# Altium PCB S7.PcbDoc (part 1 of 6) (continued)
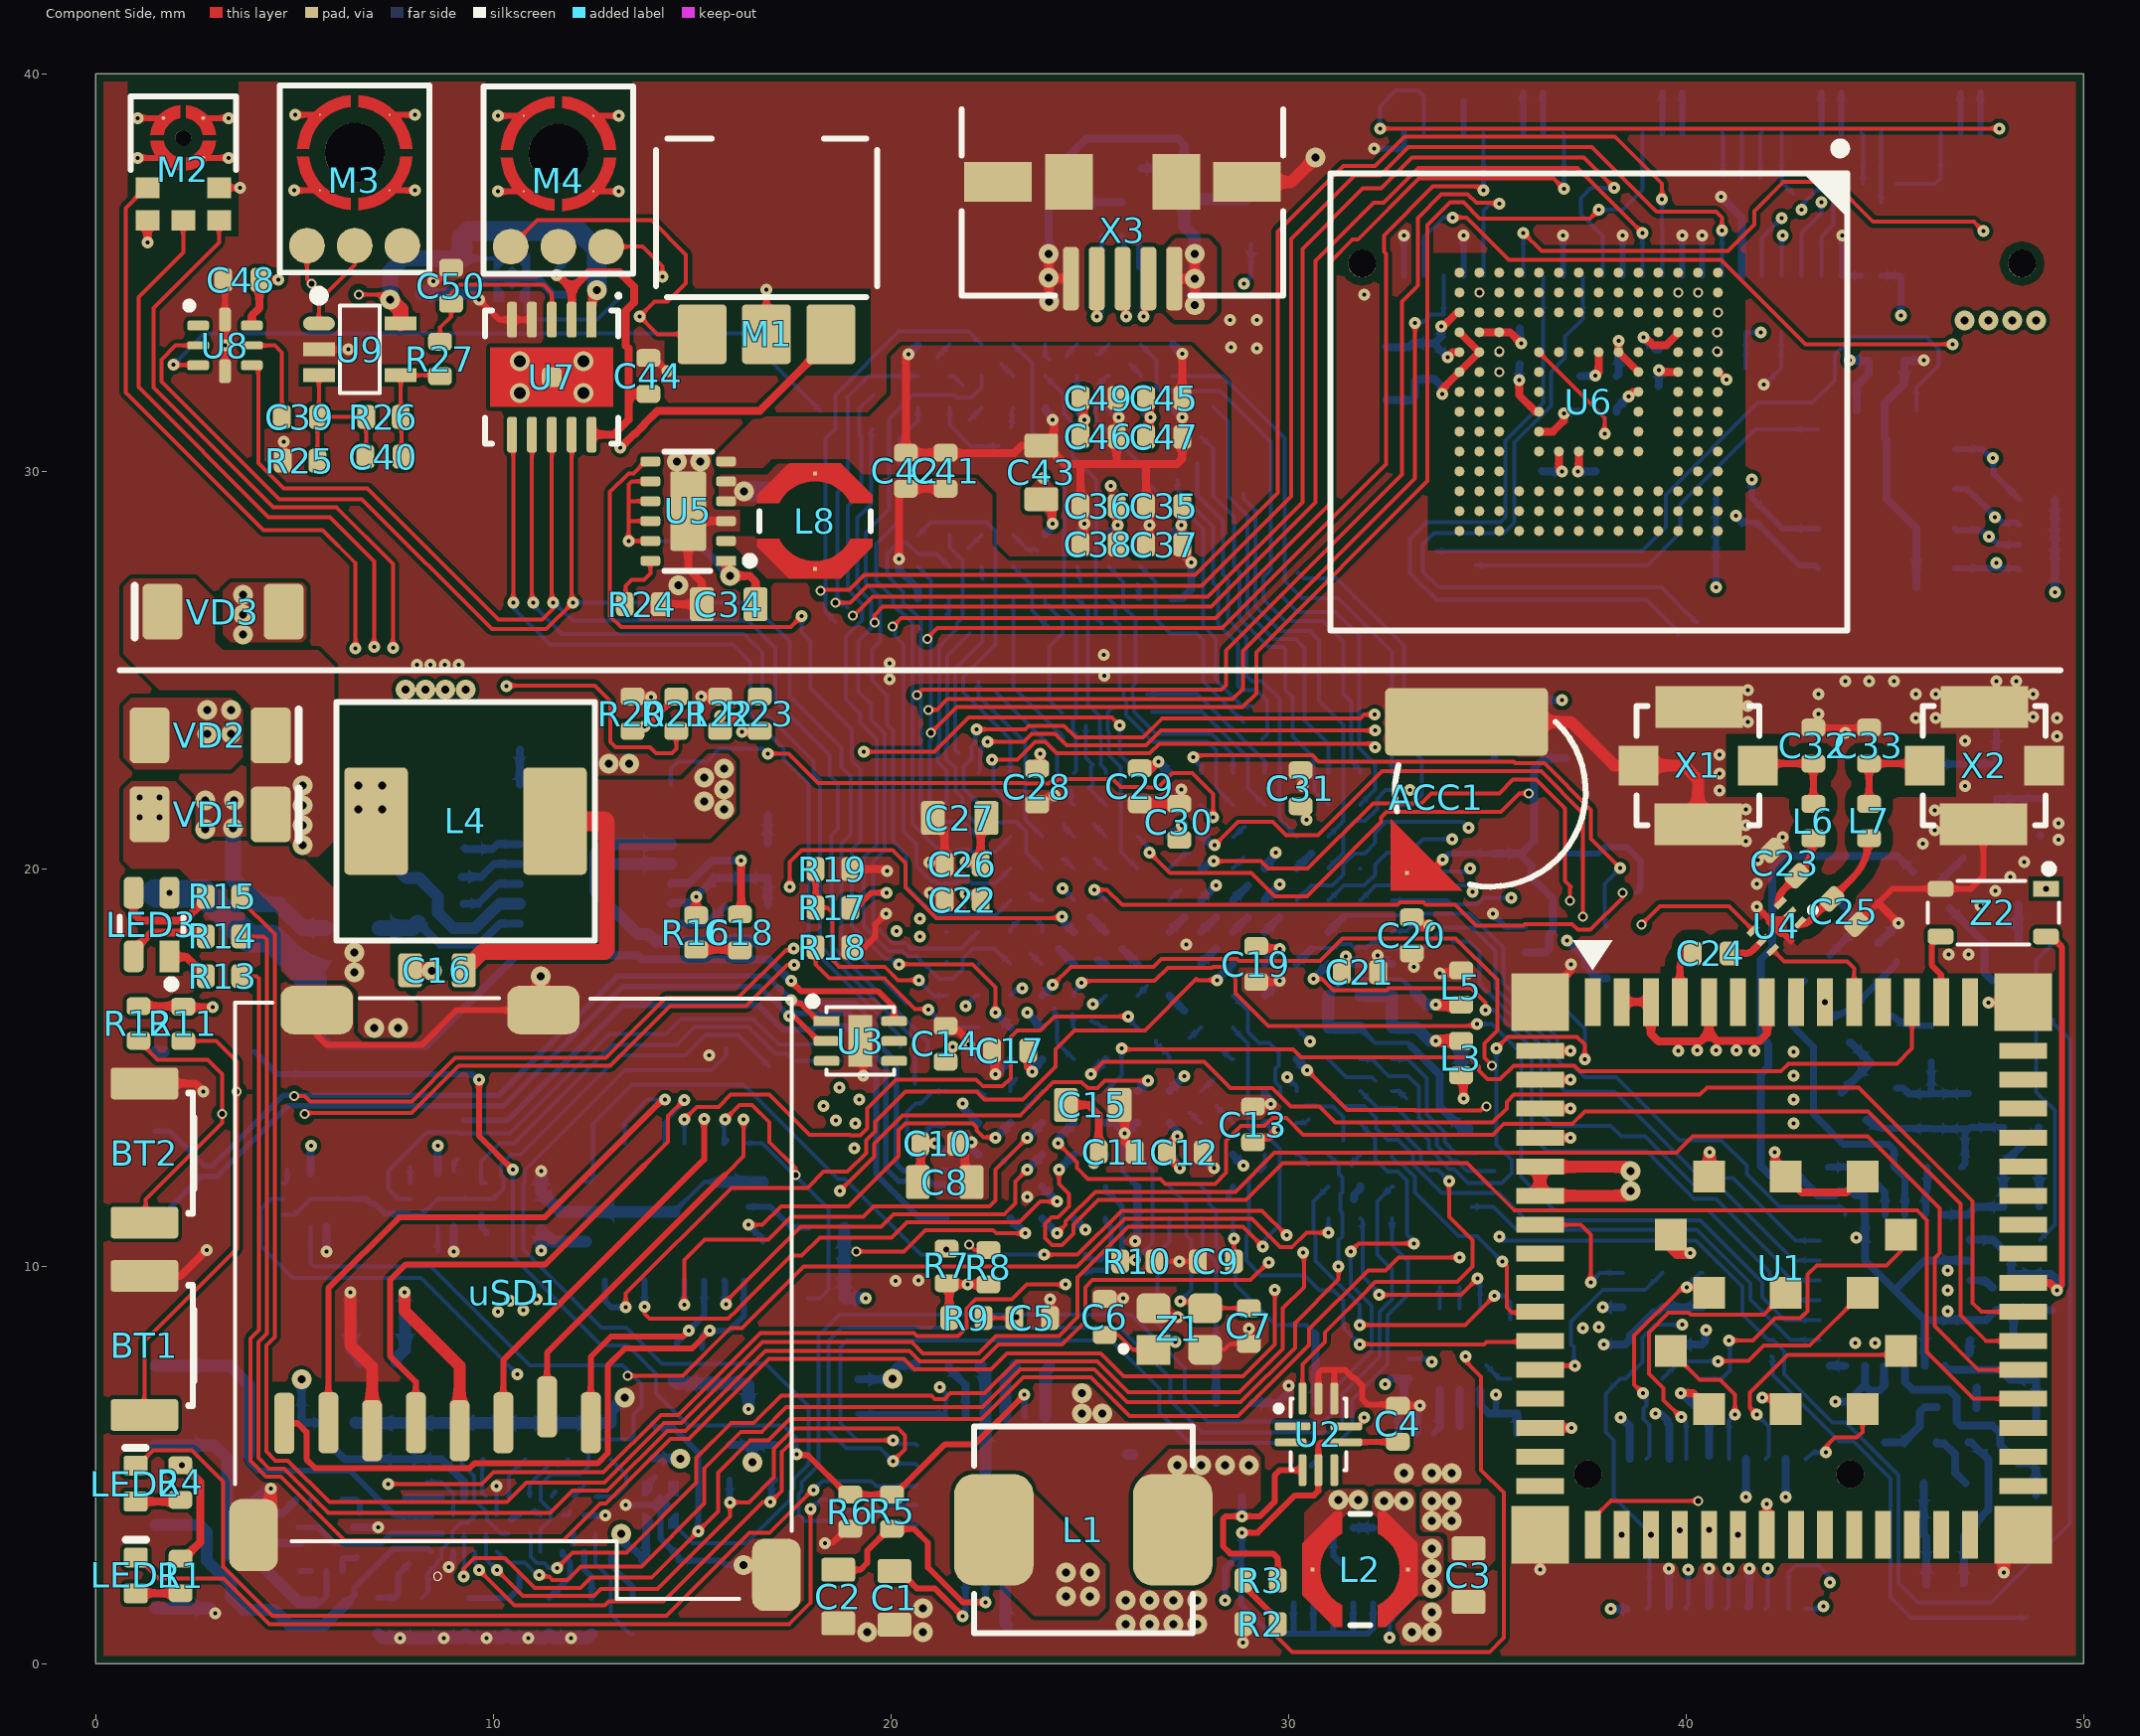
[diagram p0: Component Side view]
## Components (designator, comment, footprint, x,y, rotation, side; value= is the part's Value field where it differs from the comment) (continued)
C92 "Capacitor" "0402 CAP" 43.128,12.5 r180 bottom value=1.8pF (schematic designator C113)
C93 "Capacitor" "0603 CAP" 34.5,14.125 r270 bottom value=10µF (schematic designator C36)
C94 "Capacitor" "0402 CAP" 48.8,17.2 r180 bottom value=1000pF (schematic designator C97)
C95 "Capacitor" "0402 CAP" 43.8,15.948 r315 bottom value=2.2pF (schematic designator C107)
C96 "Capacitor" "0402 CAP" 47.3,20.6 r45 bottom value=39pF (schematic designator C102)
C97 "Capacitor" "0402 CAP" 48.8,19.1 r180 bottom value=1000pF (schematic designator C111)
C98 "Capacitor" "0402 CAP" 43.3,17.5 r45 bottom value=2.4pF (schematic designator C110)
C99 "Capacitor" "0402 CAP" 34.34,16.125 r90 bottom value=0.1µF (schematic designator C35)
C100 "Capacitor_0402" "0402 CAP" 43.548,19.472 r135 bottom value=DNP (schematic designator C114)
C101 "Capacitor" "1210 CAP" 6.837,21.803 r90 bottom value=10µF (schematic designator C121)
C102 "Capacitor" "0603 CAP" 6.462,18.511 r180 bottom value=10µF (schematic designator C122)
C103 "Capacitor" "0402 CAP" 4.05,18.7 r270 bottom value=0.1µF (schematic designator C24)
C104 "Capacitor" "0402 CAP" 48.9,21.3 r90 bottom value=3.3pF (schematic designator C108)
C105 "Capacitor" "0402 CAP" 47.8,23.9 r270 bottom value=3.3pF (schematic designator C109)
C106 "Capacitor" "0402 CAP" 16.9,21.8 r270 bottom value=47pF (schematic designator C118)
C107 "Capacitor" "0603 CAP" 9.275,21.2 r270 bottom value=0.1µF (schematic designator C116)
C108 "Capacitor" "0603 CAP" 13.7,23.5 r180 bottom value=10µF (schematic designator C119)
C109 "Capacitor" "0603 CAP" 37.05,30.01 r0 bottom value=10µF (schematic designator C13)
C110 "Capacitor" "0603 CAP" 16.208,29.5 r0 bottom value=10µF (schematic designator C63)
C111 "Capacitor" "0402 CAP" 41.946,32.6 r0 bottom value=1µF (schematic designator C5)
C112 "Capacitor" "0402 CAP" 41.946,33.5 r0 bottom value=0.1µF (schematic designator C6)
C113 "Capacitor" "0402 CAP" 39.3,32.6 r90 bottom value=0.1µF (schematic designator C7)
C114 "Capacitor" "0402 CAP" 37.8,32.4 r180 bottom value=0.1µF (schematic designator C8)
C115 "Capacitor" "0402 CAP" 37.8,31.5 r0 bottom value=0.1µF (schematic designator C9)
C116 "Capacitor" "0402 CAP" 33.675,32.769 r270 bottom value=0.1µF (schematic designator C11)
C117 "Capacitor" "0603 CAP" 32.455,32.466 r270 bottom value=10µF (schematic designator C12)
C118 "Capacitor" "0402 CAP" 45.04,32.787 r180 bottom value=0.1µF (schematic designator C1)
C119 "Capacitor" "0402 CAP" 35.818,33.143 r270 bottom value=0.1µF (schematic designator C10)
C120 "Capacitor" "0402 CAP" 11.89,34.9 r270 bottom value=1µF (schematic designator C82)
C121 "Capacitor" "0402 CAP" 9.21,34.9 r270 bottom value=0.1µF (schematic designator C80)
C122 "Capacitor" "0402 CAP" 8.18,34.9 r270 bottom value=1µF (schematic designator C81)
C123 "Capacitor" "0402 CAP" 27.375,37.3 r270 bottom value=0.1µF (schematic designator C32)
L1 "IHLP2020BZER2R2M01" IHLP-2020BZ-11 22.087,0.769 r0 top locked value="2.2 uH" (schematic designator L5)
L2 "744025002" 744025002 31.8,2.372 r90 top value="2.2 uH" (schematic designator L6)
L3 "MLG1005SR10JT000" INDC1005-0402 34.34,15.238 r90 top value="100 nH"
L4 "ETQ-P3M6R8KVP" ETQP3MxxxKVP 9.3,21.2 r0 top value="6.8 uH" (schematic designator L18)
L5 "MLG1005SR10JT000" INDC1005-0402 34.34,17.012 r270 top value="100 nH" (schematic designator L4)
L6 "LQP15MN2N2B02D" INDC1005-0402 43.2,21.2 r270 top value="2.2 nH" (schematic designator L8)
L7 "LQP15MN2N2B02D" INDC1005-0402 44.6,21.2 r270 top value="2.2 nH" (schematic designator L9)
L8 "744025002" 744025002 18.089,28.746 r180 top value="2.2 uH" (schematic designator L7)
L9 "MLZ2012M150WT000" 2012[0805] 48.8,5.1 r270 bottom value="15 µH" (schematic designator L16)
L10 "BLM15PG100SN1D" INDC1005-0402 47.3,6 r90 bottom value="10 Ohms @ 100MHz" (schematic designator L15)
L11 "CRCW04020000Z0ED" INDC1005-0402 46.5,12.5 r0 bottom value="0 Ohms"
L12 "LQW15AN15NH00D" INDC1005-0402 44.8,12.5 r180 bottom value="15 nH" (schematic designator L17)
L13 "LQW15AN47NJ00D" INDC1005-0402 48.431,13.5 r180 bottom value="47 nH" (schematic designator L10)
L14 "LQW15AN2N5C00D" INDC1005-0402 46.172,13.9 r90 bottom value="2.5 nH" (schematic designator L12)
L15 "LQW15AN4N7C00D" INDC1005-0402 44.9,16.6 r135 bottom value="4.7 nH" (schematic designator L13)
L16 "MPZ2012S601AT000" 0805 6.501,16.994 r0 bottom value="600 Ohm @ 100MHz" (schematic designator L1)
L17 "LQW15AN9N1H00D" INDC1005-0402 47.8,22.2 r90 bottom value="9.1 nH" (schematic designator L14)
L18 "MPZ2012S601AT000" 0805 29.049,36.642 r270 bottom value="600 Ohm @ 100MHz" (schematic designator L2)
LED1 "SML-P11MTT86R" "0402 G LED" 1.01,2.225 r270 top value=Green (schematic designator LED3)
LED2 "SML-P11UTT86R" "0402 R LED" 1,4.533 r270 top value=Red
LED3 "5977715607F" 0606 1.4,18.6 r90 top (schematic designator LED1)
M1 "EK-23024-C36" EK-23024-C36 18.49,33.45 r90 top (schematic designator M2)
M2 "ICS-43434" ICS-43434 2.2,38.389 r90 top (schematic designator M3)
M3 "ICS-40730" ICS-40730 5.312,35.677 r90 top (schematic designator M4)
M4 "ICS-40730" ICS-40730 10.437,35.652 r90 top (schematic designator M1)
P_MIC1 "PIN_TOP_1.5x2" PIN_TOP_1.5x2 1.5,3.5 r0 bottom net-tie (schematic designator P_MIC2)
P_MIC2 "PIN_TOP_1.5x2" PIN_TOP_1.5x2 1.5,5.5 r180 bottom net-tie (schematic designator P_MIC1)
P_MIC_BIAS1 "PIN_TOP_1.5x2" PIN_TOP_1.5x2 1.5,7.5 r180 bottom net-tie (schematic designator P_MIC_BIAS)
P_MIC_GND1 "PIN_TOP_1.5x2" PIN_TOP_1.5x2 1.5,1.4 r180 bottom net-tie (schematic designator P_MIC_GND)
P_NTC1 "PIN_TOP_1.5x2" PIN_TOP_1.5x2 4,15.4 r180 bottom net-tie (schematic designator P_NTC)
P_PWR_+1 "PIN_TOP_1.5x2" PIN_TOP_1.5x2 1.5,23.4 r180 bottom net-tie (schematic designator P_PWR_+)
P_PWR_GND1 "PIN_TOP_1.5x2" PIN_TOP_1.5x2 1.5,21.4 r0 bottom net-tie (schematic designator P_PWR_GND)
P_USB_GND1 "PIN_TOP_1.5x2" PIN_TOP_1.5x2 1.5,9.4 r180 bottom net-tie (schematic designator P_USB_GND)
P_USB_N1 "PIN_TOP_1.5x2" PIN_TOP_1.5x2 1.5,13.4 r180 bottom net-tie (schematic designator P_USB_N)
P_USB_P1 "PIN_TOP_1.5x2" PIN_TOP_1.5x2 1.5,11.4 r180 bottom net-tie (schematic designator P_USB_P)
P_USB_VBUS1 "PIN_TOP_1.5x2" PIN_TOP_1.5x2 1.5,19.4 r180 bottom net-tie (schematic designator P_USB_VBUS)
P_VBAT1 "PIN_TOP_1.5x2" PIN_TOP_1.5x2 1.5,17.4 r180 bottom net-tie (schematic designator P_VBAT)
P_VBAT_GND1 "PIN_TOP_1.5x2" PIN_TOP_1.5x2 1.5,15.4 r0 bottom net-tie (schematic designator P_VBAT_GND)
R1 "Resistor" 0402 2.135,2.21 r90 top value=510 (schematic designator R20)
R2 "Resistor" 0402 29.3,1 r180 top value="10 k" (schematic designator R53)
R3 "Resistor" 0402 29.3,2.1 r180 top value="100 k" (schematic designator R54)
R4 "Resistor" 0402 2.127,4.56 r90 top value=510 (schematic designator R19)
R5 "Resistor" 0402 20.025,3.825 r90 top value="5.6 k" (schematic designator R25)
R6 "Resistor" 0402 18.975,3.825 r90 top value="8.2 k" (schematic designator R28)
R7 "Resistor" 0402 21.4,10.01 r270 top value="10 k" (schematic designator R6)
R8 "Resistor" 0402 22.45,9.975 r270 top value="10 k" (schematic designator R7)
R9 "Resistor" 0402 21.9,8.7 r180 top value="10 k" (schematic designator R8)
R10 "Resistor" 0402 26.2,10.125 r0 top value="2.2 k" (schematic designator R9)
R11 "Resistor" 0402 2.2,16.1 r90 top value="10 k" (schematic designator R21)
R12 "Resistor" 0402 1.075,16.11 r90 top value="10 k" (schematic designator R22)
R13 "Resistor" 0402 3.2,17.3 r180 top value=887 (schematic designator R16)
R14 "Resistor" 0402 3.2,18.3 r180 top value=402 (schematic designator R17)
R15 "Resistor" 0402 3.2,19.3 r180 top value=453 (schematic designator R18)
R16 "Resistor" 0402 15.1,18.4 r90 top value="100 k" (schematic designator R44)
R17 "Resistor" 0402 18.54,19.02 r180 top value="10 k" (schematic designator R11)
R18 "Resistor" 0402 18.54,18.023 r180 top value="10 k" (schematic designator R12)
R19 "Resistor" 0402 18.54,19.99 r180 top value=DNP (schematic designator R13)
R20 "Resistor" 0402 13.5,23.9 r90 top value="10 k" (schematic designator R49)
R21 "Resistor" 0402 14.6,23.9 r90 top value="100 k" (schematic designator R50)
R22 "Resistor" 0402 15.7,23.9 r90 top value="10 k" (schematic designator R51)
R23 "Resistor" 0402 16.7,23.9 r90 top value="10 k" (schematic designator R52)
R24 "Resistor" 0402 13.745,26.656 r0 top value="10 M" (schematic designator R26)
R25 "Resistor" 0402 5.139,30.267 r0 top value="133 k" (schematic designator R35)
R26 "Resistor" 0402 7.237,31.367 r0 top value="100 k" (schematic designator R34)
R27 "Resistor" 0402 8.66,32.827 r90 top value=20 (schematic designator R33)
R28 "ERJ-3BWFR100V" 0603 28.825,3.49 r270 bottom value="0.1 Ohm" (schematic designator R14)
R29 "Resistor" 0402 17.087,5.068 r90 bottom value="10 k" (schematic designator R23)
R30 "Resistor" 0402 45.2,6 r90 bottom value=220 (schematic designator R42)
R31 "MCR01MZPJ103" 0402 38.4,7.6 r90 bottom value=10K (schematic designator R1)
R32 "Resistor" 0402 15.94,5.068 r90 bottom value="10 k" (schematic designator R24)
R33 "EXB-28V223JX" "EXB28V 2x1 mm" 15.5,7.5 r0 bottom value="22 k" (schematic designator R3)
R34 "Resistor" 0402 19.175,6.717 r270 bottom value="10 k" (schematic designator R29)
R35 "Resistor" 0402 14,5.605 r270 bottom value="10 k" (schematic designator R32)
R36 "MCR01MZPJ103" 0402 38.4,9.4 r90 bottom value=10K
R37 "MCR01MZPJ103" 0402 40.4,9.4 r270 bottom value=10K
R38 "MCR01MZPJ103" 0402 39.4,9.4 r90 bottom value=10K
R39 "MCR01MZPJ103" 0402 40.4,7.6 r270 bottom value=10K
R40 "MCR01MZPJ103" 0402 39.4,7.6 r270 bottom value=10K
R41 "Resistor" 0402 24.415,7.512 r180 bottom value=10 (schematic designator R30)
R42 "Resistor" 0402 21.025,7.512 r0 bottom value=10 (schematic designator R27)
R43 "Resistor" 0402 22.688,7.512 r180 bottom value=510 (schematic designator R31)
R44 "EXB-28V223JX" "EXB28V 2x1 mm" 18.376,10.086 r270 bottom value="22 k" (schematic designator R5)
R45 "Resistor" 0402 48.8,16.2 r0 bottom value=100 (schematic designator R41)
R46 "Resistor" 0402 48.8,18.2 r0 bottom value=100 (schematic designator R43)
R47 "Resistor" 0402 15.8,20.2 r90 bottom value="1 M" (schematic designator R45)
R48 "Resistor" 0402 16.9,20.2 r90 bottom value="51 k" (schematic designator R46)
R49 "Resistor" 0402 15.8,18.604 r90 bottom value="27 k" (schematic designator R47)
R50 "Resistor" 0402 16.9,18.6 r90 bottom value="249 k" (schematic designator R48)
R51 "Resistor" 0402 35.61,24.239 r180 bottom value="3 k" (schematic designator R10)
R52 "EXB-28V223JX" "EXB28V 2x1 mm" 48.825,28.405 r270 bottom value="22 k" (schematic designator R4)
R53 "EXB-28V223JX" "EXB28V 2x1 mm" 41.2,28.46 r90 bottom value="22 k" (schematic designator R2)
U1 "SM4334X-L77-TR" ISM43340-L77-TR 36.325,16.65 r270 top locked (schematic designator U22)
U2 "INA190A2IRSWR" UQFN-10 30.75,5.773 r270 top (schematic designator U8)
U3 "PUSBM5V5X4-TL,115" DFN1616-6 19.232,15.665 r0 top (schematic designator U6)
U4 "SKY13351-378LF" SKY13351-378LF 42.275,18.55 r225 top (schematic designator U23)
U5 "TPS62742DSSR" 12-WSON 14.9,29 r180 top (schematic designator U11)
U6 "IS21ES04G-JCLI" MICRON_WFBGA153 37.55,31.75 r270 top locked (schematic designator U3)
U7 "ADS8866IDRCR" "TI S-PVSON-N10" 11.472,32.369 r270 top (schematic designator U19)
U8 "TPL0501-100RSER" UQFN-8 3.25,33.167 r0 top (schematic designator U21)
U9 "MAX4466EXK+T" "SOT-353 ON Semi" 6.637,33.067 r0 top (schematic designator U18)
U10 "TPS62742DSSR" 12-WSON 31.375,2.475 r270 bottom locked
U11 "BQ24296RGET" "TI S-PVQFN-N24" 22.625,4.25 r0 bottom locked (schematic designator U9)
U12 "NCP163AMX250TBG" 4-XDFN 14.2,4 r0 bottom (schematic designator U13)
U13 "DA7217-00U32" "DILAOG 34-WLCSP (4.57X1.98)" 10.5,3.5 r180 bottom locked (schematic designator U14)
U14 "TS3A5223RSWR" UQFN-10 5.805,3.237 r90 bottom (schematic designator U12)
U15 "ISM330DLCTR" "LGA-14 BOSCH" 34.3,7.925 r180 bottom (schematic designator U20)
U16 "SX1262IMLTRT" VQFN24 45.25,9.4 r180 bottom locked (schematic designator U24)
U17 "R7FS7G27H2A01CBD" RENESAS_FBGA224 27,16.804 r270 bottom locked (schematic designator U1)
U18 "SN74CB3Q3244RGYR" TI_PVQFN-N20 14.55,11.375 r0 bottom (schematic designator U4)
U19 "TS3A5223RSWR" UQFN-10 8.8,11.7 r0 bottom (schematic designator U16)
U20 "TS3A5223RSWR" UQFN-10 5.6,11.7 r0 bottom (schematic designator U15)
U21 "TS5A4594DCKR" "SOT-353 ON Semi" 36.975,17.9 r0 bottom (schematic designator U27)
U22 "4196" SC70-6 45.5,18.8 r45 bottom (schematic designator U25)
U23 "LTC3115EDHD-1#TRPBF" DFN-16 12.562,20.375 r180 bottom (schematic designator U26)
U24 "SN74CB3Q3244RGYR" TI_PVQFN-N20 45.04,29.312 r270 bottom (schematic designator U2)
U25 "MT48LC16M16A2B4-6A AAT:G TR" MICRON_VFBGA54 23.875,29.99 r90 bottom locked (schematic designator U5)
U26 "PUSBM5V5X4-TL,115" DFN1616-6 25.799,36.775 r90 bottom (schematic designator U7)
U27 "NCP163AMX250TBG" 4-XDFN 10.47,34.87 r0 bottom (schematic designator U17)
uSD1 "2908-05WB-MG" 2908-05WB-MG 12.45,6.065 r0 top locked
VD1 "Schottky" SOD-123 2.9,21.368 r180 top (schematic designator VD2)
VD2 "Schottky" SOD-123 2.9,23.36 r180 top (schematic designator VD4)
VD3 "Schottky" SOD-123 3.175,26.468 r0 top (schematic designator VD5)
VD4 "Schottky" SOD-323 35.175,21.579 r90 bottom (schematic designator VD1)
VD5 "Schottky" SOD-323 36.975,21.579 r90 bottom (schematic designator VD3)
X1 "734120110" 0734120110 40.3,22.6 r90 top locked (schematic designator X7)
X2 "734120110" 0734120110 47.5,22.6 r270 top locked (schematic designator X8)
X3 "10104110-0001LF" "FCI micro USB B receptacle SMD" 27.124,34.85 r180 top (schematic designator X4)
X4 "10132798-022100LF" 10132798-022100LF 40.826,3.272 r0 bottom locked (schematic designator X1)
X5 "734120110" 0734120110 44.55,22.6 r270 bottom locked (schematic designator X10)
X6 "10132798-062100LF" 10132798-062100LF 40.15,36.725 r180 bottom locked (schematic designator X2)
Z1 "ABM11-24.000MHZ-D2X-T3" "4-SMD 2.00mm x 1.60mm" 27.25,8.425 r0 top value="24 MHz"
Z2 "SG-3030CM 32.7680KB3" SG-3030CM 47.725,18.9 r180 top value="32.768 kHz" (schematic designator Z3)
Z3 "NT2016SA-32M-END4263A" "4-SMD 2.00mm x 1.60mm" 46.5,3.9 r90 bottom value="32 MHz" (schematic designator Z4)
Z4 "ABS07-32.768KHZ-T" ABS7 28.175,8.3 r0 bottom value="32.768 kHz" (schematic designator Z2)

## Footprints (in the part's own frame and the unit in brackets; to place one, negate y for a bottom-side part, rotate by r counter-clockwise, add the part's x,y. Pads: shape width x height; smd on the part's side, far side on the other; paste and mask are expansions set on the pad)
"4-SMD 2.00mm x 1.60mm" [mm]
  rect 0.85x0.75 smd mask+0.06: 1(-0.65,-0.525)
  rrect50% 0.85x0.75 smd mask+0.06: 2(0.65,-0.525) 3(0.65,0.525) 4(-0.65,0.525)
  silkscreen extent -1.47,-0.57 -1.33,-0.43, body extent -1,-0.8 1,0.8, height 0.6
4-XDFN [mm] "Onsemi XDFN4 1.0x1.0, 0.65P"
  rect 0.05x0.05 smd mask+0: 1(-0.36,-0.51) 2(0.36,-0.51) 3(0.36,0.51) 4(-0.36,0.51) 5(0,0)
  Component Side region: -0.29,0 0,0.29 0.29,0 0,-0.29
  Component Side region: -0.455,0.6 -0.455,0.21 -0.345,0.21 -0.195,0.36 -0.195,0.6
  Component Side region: 0.455,0.6 0.455,0.21 0.345,0.21 0.195,0.36 0.195,0.6
  Component Side region: 0.455,-0.6 0.455,-0.21 0.345,-0.21 0.195,-0.36 0.195,-0.6
  Component Side region: -0.455,-0.6 -0.455,-0.21 -0.345,-0.21 -0.195,-0.36 -0.195,-0.6
  silkscreen extent -0.75,-0.54 -0.61,-0.4, body extent -0.5,-0.5 0.5,0.5, height 0.33
12-WSON [mm] "TI 12-WFDFN Exposed Pad (3x2 mm)"
  rect 0.5x0.25 smd mask+0.05: 1(-0.95,1.25)
  rrect50% 0.5x0.25 smd mask+0.05: 2(-0.95,0.75) 3(-0.95,0.25) 4(-0.95,-0.25) 5(-0.95,-0.75) 6(-0.95,-1.25) 7(0.95,-1.25) 8(0.95,-0.75) 9(0.95,-0.25) 10(0.95,0.25) 11(0.95,0.75) 12(0.95,1.25)
  rrect15% 0.9x2 smd mask+0.05: 13(0,0)
  silkscreen extent -1.65,-1.5 0.6,1.5, body extent -1,-1.5 1,1.5, height 0.8
0402 [mm] "Chip Resistor; Body 1.1 x 0.5 mm (LxW typ)"
  rrect50% 0.45x0.6 smd mask+0.05: 1(-0.435,0) 2(0.435,0)
  body extent -0.5,-0.25 0.51,0.25, height 0.35
"0402 CAP" [mm] "Chip Capacitor; Body 1.0 x 0.5 mm (LxW typ)"
  rrect50% 0.45x0.6 smd mask+0.05: 1(-0.452,0) 2(0.452,0)
  body extent -0.5,-0.25 0.5,0.25, height 0.5
"0402 G LED" [mm] "0402 LED"
  rrect25% 0.5x0.6 smd mask+0.05: 1(-0.45,0) 2(0.45,0)
  silkscreen extent -0.9,-0.25 -0.9,0.25, body extent -0.5,-0.3 0.5,0.3, height 0.21
"0402 R LED" [mm] "0402 LED"
  rrect25% 0.5x0.6 smd mask+0.05: 1(-0.45,0) 2(0.45,0)
  silkscreen extent -0.9,-0.25 -0.9,0.25, body extent -0.5,-0.3 0.5,0.3, height 0.21
0603 [mm] "Chip Resistor; Body 1.6 x 0.8 mm (LxW typ)"
  rrect50% 0.6x0.9 smd mask+0.06: 1(-0.7,0) 2(0.7,0)
  silkscreen extent -0.18,-0.35 0.18,0.35, body extent -0.79,-0.4 0.81,0.4, height 0.45
"0603 CAP" [mm] "Chip Capacitor; Body 1.6 x 0.8 mm (LxW typ)"
  rrect25% 0.6x0.85 smd mask+0.06: 1(-0.675,0) 2(0.675,0)
  body extent -0.85,-0.45 0.85,0.45, height 0.8
0606 [mm] "RGB LED 0606 (1616 Metric) 1.60mm L x 1.60mm W"
  rect 0.8x0.5 smd mask+0.05: 1(-0.8,-0.45)
  rrect50% 0.8x0.5 smd mask+0.05: 2(-0.8,0.45) 3(0.8,0.45) 4(0.8,-0.45)
  silkscreen extent -1.6,-0.8 0.2,0.8, body extent -0.8,-0.8 0.8,0.8, height 0.4
0805 [mm] "Chip Resistor; Body 2 x 1.3 mm (LxW typ)"
  rrect25% 0.9x1.4 smd mask+0.06: 1(-0.925,0) 2(0.925,0)
  body extent -1,-0.62 1,0.63, height 0.6
"1210 CAP" [mm] "Chip Capacitor; Body 3.2 x 2.5 mm (LxW typ)"
  rrect50% 1.6x2.7 smd: 1(-1.4,0) 2(1.4,0)
  silkscreen extent -0.3,-1.25 0.3,1.25, body extent -1.6,-1.25 1.6,1.25, height 1.15
2012[0805] [mm] "Chip Capacitor; Body 2.0 x 1.2 mm (LxW typ)"
  rrect50% 0.9x1.4 smd mask+0.07: 1(-0.95,0) 2(0.85,0)
  silkscreen extent -0.33,-0.64 0.23,0.61, body extent -1.05,-0.64 0.95,0.61, height 1.25
2908-05WB-MG [mm]
  rrect50% 0.5x1.54 smd paste+0.1 mask+0.05: 1(0,0) 2(-1.1,0.4) 3(-2.2,0) 4(-3.3,-0.2) 5(-4.4,0) 6(-5.5,-0.2) 7(-6.6,0) 8(-7.706,-0.016)
  rrect50% 1.22x1.82 smd mask+0.05: 9(-8.48,-2.827) 10(4.67,-3.827)
  rrect50% 1.82x1.22 smd mask+0.05: 11(-1.19,10.382) 12(-6.89,10.382)
  silkscreen extent -8.94,-4.43 5.06,10.68, body extent -8.93,-4.51 5.07,10.74, height 1.85
10132798-022100LF [mm]
  rect 0.3x1.6 smd mask+0.05: 1(-2.25,1.891) 2(-1.75,1.891) 3(-1.25,1.891) 4(-0.75,1.891) 5(-0.25,1.891) 6(0.25,1.891) 7(0.75,1.891) 8(1.25,1.891) 9(1.75,1.891) 10(2.25,1.891) 11(2.25,-1.891) 12(1.75,-1.891) 13(1.25,-1.891) 14(0.75,-1.891) 15(0.25,-1.891) 16(-0.25,-1.891) 17(-0.75,-1.891) 18(-1.25,-1.891) 19(-1.75,-1.891) 20(-2.25,-1.891)
  round 0.7 hole 0.7 unplated mask+0.05: MH1(-3.3,-1.5) MH2(3.3,-1.5)
  rect 1.2x1.6 smd mask+0.05: MP1(-3.475,0) MP2(3.475,0)
  silkscreen extent -3.55,-1.8 3.55,1.8, body extent -4,-2.3 4,2.3, height 2.71
10132798-062100LF [mm] "Amphenol 60 Position Connector Receptacle, Center Strip Contacts Surface Mount Gold"
  rect 0.3x1.6 smd mask+0.05: 1(-7.25,1.8) 2(-6.75,1.8) 3(-6.25,1.8) 4(-5.75,1.8) 5(-5.25,1.8) 6(-4.75,1.8) 7(-4.25,1.8) 8(-3.75,1.8) 9(-3.25,1.8) 10(-2.75,1.8) 11(-2.25,1.8) 12(-1.75,1.8) 13(-1.25,1.8) 14(-0.75,1.8) 15(-0.25,1.8) 16(0.25,1.8) 17(0.75,1.8) 18(1.25,1.8) 19(1.75,1.8) 20(2.25,1.8) 21(2.75,1.8) 22(3.25,1.8) 23(3.75,1.8) 24(4.25,1.8) 25(4.75,1.8) 26(5.25,1.8) 27(5.75,1.8) 28(6.25,1.8) 29(6.75,1.8) 30(7.25,1.8) 31(7.25,-1.8) 32(6.75,-1.8) 33(6.25,-1.8) 34(5.75,-1.8) 35(5.25,-1.8) 36(4.75,-1.8) 37(4.25,-1.8) 38(3.75,-1.8) 39(3.25,-1.8) 40(2.75,-1.8) 41(2.25,-1.8) 42(1.75,-1.8) 43(1.25,-1.8) 44(0.75,-1.8) 45(0.25,-1.8) 46(-0.25,-1.8) 47(-0.75,-1.8) 48(-1.25,-1.8) 49(-1.75,-1.8) 50(-2.25,-1.8) 51(-2.75,-1.8) 52(-3.25,-1.8) 53(-3.75,-1.8) 54(-4.25,-1.8) 55(-4.75,-1.8) 56(-5.25,-1.8) 57(-5.75,-1.8) 58(-6.25,-1.8) 59(-6.75,-1.8) 60(-7.25,-1.8)
  round 0.7 hole 0.7 unplated mask+0.05: MH1(-8.3,-1.498) MH2(8.3,-1.498)
  rect 1.2x1.6 smd mask+0.05: MP1(-8.475,0.002) MP2(8.475,0.002)
  silkscreen extent -8.55,-1.8 8.55,1.8, body extent -9,-2.3 9,2.3, height 2.71
0734120110 [mm] "Molex CONN UMC RCPT STR 50 OHM SMD"
  rect 1x1 smd mask+0.05: 1(0,-1.5) 3(0,1.5)
  rect 1.05x2.2 smd mask+0.05: 2(1.475,-0.025) 4(-1.475,0)
  silkscreen extent -1.5,-1.54 1.5,1.54, body extent -1.5,-1.54 1.5,1.54, height 1.3
744025002 [mm] "744025002"
  rect 0.1x0.1 smd paste+0 mask+0.05: 1(0,-1.2) 2(0,1.2)
  Component Side region: 1.45,0.65 0.65,1.45 -0.65,1.45 -1.45,0.65 -1.45,0.45 -0.9,0.45 -0.62,0.792 -0.221,0.982 0.221,0.982 0.62,0.792 0.9,0.45 0.9,0.45 1.45,0.45
  Component Side region: -1.45,-0.65 -0.65,-1.45 0.65,-1.45 1.45,-0.65 1.45,-0.45 0.9,-0.45 0.62,-0.792 0.221,-0.982 -0.221,-0.982 -0.62,-0.792 -0.9,-0.45 -0.9,-0.45 -1.45,-0.45
  silkscreen extent -1.4,-0.25 1.4,0.25, body extent -1.4,-1.4 1.4,1.4, height 2.81
ABS7 [mm]
  rrect50% 1.1x1.9 smd: 1(0,0) 2(2.5,0)
  silkscreen extent 0.77,-0.75 1.73,0.75, body extent -0.35,-0.75 2.85,0.75, height 0.9
B3U-3000P [mm] "Omron tact switch B3U-3000P"
  rrect20% 0.8x1.7 smd: 1(-1.75,0) 2(1.75,0)
  silkscreen extent -1.53,-1.25 1.53,-1.1, body extent -2,-1.3 2,1.9, height 1.21
DFN1616-6 [mm] "NXP  DFN1616-6 (SOT1189-1/XSON6)"
  rect 0.65x0.25 smd mask+0.05: 1(-0.85,0.5)
  rrect50% 0.65x0.25 smd mask+0.05: 2(-0.849,0) 3(-0.85,-0.5) 4(0.85,-0.5) 5(0.849,0) 6(0.85,0.5)
  rect 0.6x1.3 smd paste-0.25 mask+0.05: 7(0,0)
  silkscreen extent -1.3,-0.85 0.85,1.1, body extent -0.85,-0.85 0.85,0.85, height 0.5
DFN-16 [mm] "DFN-16"
  rect 0.7x0.25 smd paste+0 mask+0.05: 1(-1.9,1.75) 2(-1.9,1.25) 3(-1.9,0.75) 4(-1.9,0.25) 5(-1.9,-0.25) 6(-1.9,-0.75) 7(-1.9,-1.25) 8(-1.9,-1.75) 9(1.9,-1.75) 10(1.9,-1.25) 11(1.9,-0.75) 12(1.9,-0.25) 13(1.9,0.25) 14(1.9,0.75) 15(1.9,1.25) 16(1.9,1.75)
  rrect10% 2.44x4.34 smd paste-0.2 mask+0.05: 17(0,0)
  silkscreen extent -2.6,-2.5 2,2.5, body extent -2,-2.5 2,2.5, height 0.75
"DILAOG 34-WLCSP (4.57X1.98)" [mm] "Dialog 34-WLCSP (4.57x1.98)"
  round 0.2 smd mask+0.05: A1(-2.063,0.703) A3(-1.512,0.703) A5(-0.962,0.703) A7(-0.413,0.703) A9(0.138,0.703) A11(0.687,0.703) A13(1.238,0.703) A15(1.787,0.703) B2(-1.787,0.228) B4(-1.238,0.228) B6(-0.687,0.228) B8(-0.138,0.228) B10(0.413,0.228) B12(0.962,0.228) B14(1.512,0.228) B16(2.063,0.228) C1(-2.063,-0.228) C3(-1.512,-0.228) C5(-0.962,-0.228) C7(-0.413,-0.228) C9(0.138,-0.228) C11(0.687,-0.228) C13(1.238,-0.228) C15(1.787,-0.228) D2(-1.787,-0.703) D4(-1.238,-0.703) D6(-0.687,-0.703) D8(-0.138,-0.703) D10(0.413,-0.703) D12(0.962,-0.703) D14(1.512,-0.703) D16(2.063,-0.703)
  silkscreen extent -2.28,-0.99 2.28,1.32, body extent -2.28,-0.99 2.28,0.99, height 0.5
EK-23024-C36 [mm] "Microphone EK-23024-C36"
  rrect15% 1.499x1.225 smd mask+0.05: 1(0,0) 2(0,1.62) 3(0,3.24)
  silkscreen extent 0.93,-1.17 4.92,4.39, body extent 0.27,-1.18 6.49,4.38, height 2.18
ETQP3MxxxKVP [mm] "ETQP3MxxxKVP Panasonic"
  rrect15% 1.6x2.7 smd paste+0 mask+0.05: 1(-2.25,0) 2(2.25,0)
  silkscreen extent -3.25,-3 3.25,3, body extent -2.95,-2.7 2.95,2.7, height 3.01
"EXB28V 2x1 mm" [mm] "Panasonic Isolated 4 Resistor Network/Array"
  rect 0.525x0.5 smd mask+0.051: 1(-0.887,-0.45) 4(0.887,-0.45) 5(0.887,0.45) 8(-0.887,0.45)
  rect 0.25x0.5 smd mask+0.051: 2(-0.25,-0.45) 3(0.25,-0.45) 6(0.25,0.45) 7(-0.25,0.45)
  silkscreen extent -1.57,-0.57 -1.42,-0.43, body extent -1,-0.5 1,0.5, height 0.36
"FCI micro USB B receptacle SMD" [mm]
  rrect50% 0.4x1.6 smd mask+0.05: 1(0,0) 2(0.65,0) 3(1.3,0) 4(1.95,0) 5(2.6,0)
  rect 1.7x1 smd mask+0.05: G1(-1.83,-2.43) G4(4.43,-2.43)
  rect 1.2x1.4 smd mask+0.05: G2(-0.05,-2.427) G3(2.65,-2.427)
  silkscreen extent -2.74,-4.26 5.34,0.44, body extent -2.74,-5.13 5.34,0.44, height 2.75
ICS-40730 [mm] "Invensense mirophone ICS-40730"
  round 0.9 smd paste-0.125 mask+0.05: 1(0,0) 2(0,-1.2) 3(0,-2.4)
  round 0.05 smd mask+0: 4(1.39,-0.325) 4(1.39,-2.075) 4(3.29,-2.075) 4(3.29,-0.325)
  round 1.5 hole 1.5 unplated mask+0.05: HL(2.34,-1.2)
  Component Side region: 3.787,-1.1 3.486,-1.1 3.486,-1.1 3.319,-0.596 2.944,-0.221 2.44,-0.054 2.44,-0.054 2.44,-0.054 2.44,0.247 2.44,0.247 3.094,0.039 3.579,-0.446 3.787,-1.1
  Component Side region: 3.786,-1.3 3.485,-1.3 3.485,-1.3 3.318,-1.804 2.943,-2.179 2.439,-2.346 2.439,-2.346 2.439,-2.346 2.439,-2.647 2.439,-2.647 3.093,-2.439 3.578,-1.954 3.786,-1.3
  Component Side region: 0.892,-1.303 1.193,-1.303 1.193,-1.303 1.36,-1.807 1.735,-2.182 2.239,-2.349 2.239,-2.349 2.239,-2.349 2.239,-2.65 2.239,-2.65 1.585,-2.442 1.1,-1.957 0.892,-1.303
  Component Side region: 0.893,-1.1 1.194,-1.1 1.194,-1.1 1.361,-0.596 1.736,-0.221 2.24,-0.054 2.24,-0.054 2.24,-0.054 2.24,0.247 2.24,0.247 1.586,0.039 1.101,-0.446 0.893,-1.1
  body extent -0.68,-3.08 4.04,0.68, height 3.52
ICS-43434 [mm] "Invensense mirophone ICS-43434"
  rect 0.522x0.6 smd mask+0.05: 1(-2.074,-0.9) 2(-1.252,-0.9) 4(-1.252,0.9) 5(-2.074,0.9) 6(-2.074,0)
  round 0.1 smd paste+0 mask+0: 3(-0.5,-0.5) 3(-0.5,0.5) 3(0.5,-0.5) 3(0.5,0.5)
  round 0.4 hole 0.4 unplated mask+0.05: HL(0,0)
  Component Side region: 0.075,0.822 0.075,0.494 0.075,0.494 0.271,0.42 0.42,0.271 0.494,0.075 0.494,0.075 0.494,0.075 0.822,0.075 0.822,0.075 0.702,0.434 0.434,0.701 0.075,0.822
  Component Side region: 0.822,-0.075 0.494,-0.075 0.494,-0.075 0.42,-0.271 0.271,-0.42 0.075,-0.494 0.075,-0.494 0.075,-0.494 0.075,-0.822 0.075,-0.822 0.434,-0.702 0.701,-0.434 0.822,-0.075
  Component Side region: -0.075,-0.822 -0.075,-0.494 -0.075,-0.494 -0.271,-0.42 -0.42,-0.271 -0.494,-0.075 -0.494,-0.075 -0.494,-0.075 -0.822,-0.075 -0.822,-0.075 -0.702,-0.434 -0.434,-0.701 -0.075,-0.822
  Component Side region: -0.822,0.075 -0.494,0.075 -0.494,0.075 -0.42,0.271 -0.271,0.42 -0.075,0.494 -0.075,0.494 -0.075,0.494 -0.075,0.822 -0.075,0.822 -0.434,0.702 -0.701,0.434 -0.822,0.075
  silkscreen extent -0.8,-1.32 1.04,1.33, body extent -2.46,-1.32 1.04,1.33, height 1
IHLP-2020BZ-11 [mm]
  rrect50% 2x2.8 smd: 1(0.5,2.6) 2(5,2.6)
  silkscreen extent 0,0 5.5,5.2, body extent 0,0 5.5,5.2, height 2
INDC1005-0402 [mm] "Chip Inductor; Body 1 x 0.5 mm (LxW typ)"
  rrect50% 0.45x0.6 smd mask+0.05: 1(-0.435,0) 2(0.435,0)
ISM43340-L77-TR [mm]
  rect 1.2x0.4 smd mask+0.05: 1(0,1.33) 2(0,2.06) 3(0,2.79) 4(0,3.52) 5(0,4.25) 6(0,4.98) 7(0,5.71) 8(0,6.44) 9(0,7.17) 10(0,7.9) 11(0,8.63) 12(0,9.36) 13(0,10.09) 14(0,10.82) 31(13.4,10.82) 32(13.4,10.09) 33(13.4,9.36) 34(13.4,8.63) 35(13.4,7.9) 36(13.4,7.17) 37(13.4,6.44) 38(13.4,5.71) 39(13.4,4.98) 40(13.4,4.25) 41(13.4,3.52) 42(13.4,2.79) 43(13.4,2.06) 44(13.4,1.33)
  rect 0.4x1.2 smd mask+0.05: 15(1.225,12.15) 16(1.955,12.15) 17(2.685,12.15) 18(3.415,12.15) 19(4.145,12.15) 20(4.875,12.15) 21(5.605,12.15) 22(6.335,12.15) 23(7.065,12.15) 24(7.795,12.15) 25(8.525,12.15) 26(9.255,12.15) 27(9.985,12.15) 28(10.715,12.15) 29(11.445,12.15) 30(12.175,12.15) 45(12.175,0) 46(11.445,0) 47(10.715,0) 48(9.985,0) 49(9.255,0) 50(8.525,0) 51(7.795,0) 52(7.065,0) 53(6.335,0) 54(5.605,0) 55(4.875,0) 56(4.145,0) 57(3.415,0) 58(2.685,0) 59(1.955,0) 60(1.225,0)
  rect 1.45x1.45 smd mask+0.05: 61(0,0) 62(0,12.15) 63(13.4,12.15) 64(13.4,0)
  rect 0.8x0.8 smd mask+0.05: 65(4.39,8.113) 66(4.39,6.182) 67(4.39,4.252) 68(5.852,9.078) 69(5.852,3.287) 70(7.314,8.113) 71(7.314,6.182) 72(7.314,4.252) 73(8.776,9.078) 74(8.776,3.287) 75(10.238,8.113) 76(10.238,6.182) 77(10.238,4.252)
  silkscreen extent -1.55,0.82 -0.8,1.83, body extent -0.55,-0.58 13.95,12.72, height 2.44
"LGA-14 BOSCH" [mm] "PQFN, 14-Leads, Body 3.00x2.50mm, Pitch 0.50mm, IPC Medium Density"
  rect 0.675x0.25 smd mask+0.05: 1(-1.275,0.75)
  rrect50% 0.675x0.25 smd mask+0.05: 2(-1.275,0.25) 3(-1.275,-0.25) 4(-1.275,-0.75) 8(1.275,-0.75) 9(1.275,-0.25) 10(1.275,0.25) 11(1.275,0.75)
  rrect50% 0.25x0.675 smd mask+0.05: 5(-0.5,-1.025) 6(0,-1.025) 7(0.5,-1.025) 12(0.5,1.025) 13(0,1.025) 14(-0.5,1.025)
  silkscreen extent -2.32,-1.3 1.55,1.3, body extent -1.55,-1.3 1.55,1.3, height 0.83
MICRON_VFBGA54 [mm] "WFBGA, 54-Balls, Body 8x8mm, Pitch 0.8mm"
  round 0.35 smd: A1(-3.2,3.2) A2(-2.4,3.2) A3(-1.6,3.2) A7(1.6,3.2) A8(2.4,3.2) A9(3.2,3.2) B1(-3.2,2.4) B2(-2.4,2.4) B3(-1.6,2.4) B7(1.6,2.4) B8(2.4,2.4) B9(3.2,2.4) C1(-3.2,1.6) C2(-2.4,1.6) C3(-1.6,1.6) C7(1.6,1.6) C8(2.4,1.6) C9(3.2,1.6) D1(-3.2,0.8) D2(-2.4,0.8) D3(-1.6,0.8) D7(1.6,0.8) D8(2.4,0.8) D9(3.2,0.8) E1(-3.2,0) E2(-2.4,0) E3(-1.6,0) E7(1.6,0) E8(2.4,0) E9(3.2,0) F1(-3.2,-0.8) F2(-2.4,-0.8) F3(-1.6,-0.8) F7(1.6,-0.8) F8(2.4,-0.8) F9(3.2,-0.8) G1(-3.2,-1.6) G2(-2.4,-1.6) G3(-1.6,-1.6) G7(1.6,-1.6) G8(2.4,-1.6) G9(3.2,-1.6) H1(-3.2,-2.4) H2(-2.4,-2.4) H3(-1.6,-2.4) H7(1.6,-2.4) H8(2.4,-2.4) H9(3.2,-2.4) J1(-3.2,-3.2) J2(-2.4,-3.2) J3(-1.6,-3.2) J7(1.6,-3.2) J8(2.4,-3.2) J9(3.2,-3.2)
  silkscreen extent -4.75,-4 4,4, body extent -4,-4 4,4, height 0.7
MICRON_WFBGA153 [mm] "BGA, 153-Leads, Body 11.50x13.00mmx0.70mm, Pitch 0.50mm"
  round 0.25 smd: A1(-3.25,3.25) A2(-2.75,3.25) A3(-2.25,3.25) A4(-1.75,3.25) A5(-1.25,3.25) A6(-0.75,3.25) A7(-0.25,3.25) A8(0.25,3.25) A9(0.75,3.25) A10(1.25,3.25) A11(1.75,3.25) A12(2.25,3.25) A13(2.75,3.25) A14(3.25,3.25) B1(-3.25,2.75) B2(-2.75,2.75) B3(-2.25,2.75) B4(-1.75,2.75) B5(-1.25,2.75) B6(-0.75,2.75) B7(-0.25,2.75) B8(0.25,2.75) B9(0.75,2.75) B10(1.25,2.75) B11(1.75,2.75) B12(2.25,2.75) B13(2.75,2.75) B14(3.25,2.75) C1(-3.25,2.25) C2(-2.75,2.25) C3(-2.25,2.25) C4(-1.75,2.25) C5(-1.25,2.25) C6(-0.75,2.25) C7(-0.25,2.25) C8(0.25,2.25) C9(0.75,2.25) C10(1.25,2.25) C11(1.75,2.25) C12(2.25,2.25) C13(2.75,2.25) C14(3.25,2.25) D1(-3.25,1.75) D2(-2.75,1.75) D3(-2.25,1.75) D4(-1.75,1.75) D12(2.25,1.75) D13(2.75,1.75) D14(3.25,1.75) E1(-3.25,1.25) E2(-2.75,1.25) E3(-2.25,1.25) E5(-1.25,1.25) E6(-0.75,1.25) E7(-0.25,1.25) E8(0.25,1.25) E9(0.75,1.25) E10(1.25,1.25) E12(2.25,1.25) E13(2.75,1.25) E14(3.25,1.25) F1(-3.25,0.75) F2(-2.75,0.75) F3(-2.25,0.75) F5(-1.25,0.75) F10(1.25,0.75) F12(2.25,0.75) F13(2.75,0.75) F14(3.25,0.75) G1(-3.25,0.25) G2(-2.75,0.25) G3(-2.25,0.25) G5(-1.25,0.25) G10(1.25,0.25) G12(2.25,0.25) G13(2.75,0.25) G14(3.25,0.25) H1(-3.25,-0.25) H2(-2.75,-0.25) H3(-2.25,-0.25) H5(-1.25,-0.25) H10(1.25,-0.25) H12(2.25,-0.25) H13(2.75,-0.25) H14(3.25,-0.25) J1(-3.25,-0.75) J2(-2.75,-0.75) J3(-2.25,-0.75) J5(-1.25,-0.75) J10(1.25,-0.75) J12(2.25,-0.75) J13(2.75,-0.75) J14(3.25,-0.75) K1(-3.25,-1.25) K2(-2.75,-1.25) K3(-2.25,-1.25) K5(-1.25,-1.25) K6(-0.75,-1.25) K7(-0.25,-1.25) K8(0.25,-1.25) K9(0.75,-1.25) K10(1.25,-1.25) K12(2.25,-1.25) K13(2.75,-1.25) K14(3.25,-1.25) L1(-3.25,-1.75) L2(-2.75,-1.75) L3(-2.25,-1.75) L12(2.25,-1.75) L13(2.75,-1.75) L14(3.25,-1.75) M1(-3.25,-2.25) M2(-2.75,-2.25) M3(-2.25,-2.25) M4(-1.75,-2.25) M5(-1.25,-2.25) M6(-0.75,-2.25) M7(-0.25,-2.25) M8(0.25,-2.25) M9(0.75,-2.25) M10(1.25,-2.25) M11(1.75,-2.25) M12(2.25,-2.25) M13(2.75,-2.25) M14(3.25,-2.25) N1(-3.25,-2.75) N2(-2.75,-2.75) N3(-2.25,-2.75) N4(-1.75,-2.75) N5(-1.25,-2.75) N6(-0.75,-2.75) N7(-0.25,-2.75) N8(0.25,-2.75) N9(0.75,-2.75) N10(1.25,-2.75) N11(1.75,-2.75) N12(2.25,-2.75) N13(2.75,-2.75) N14(3.25,-2.75) P1(-3.25,-3.25) P2(-2.75,-3.25) P3(-2.25,-3.25) P4(-1.75,-3.25) P5(-1.25,-3.25) P6(-0.75,-3.25) P7(-0.25,-3.25) P8(0.25,-3.25) P9(0.75,-3.25) P10(1.25,-3.25) P11(1.75,-3.25) P12(2.25,-3.25) P13(2.75,-3.25) P14(3.25,-3.25)
  silkscreen extent -6.5,-6.5 5.75,6.5, body extent -5.75,-6.5 5.75,6.5, height 0.7
ML414H [mm] "ML414H"
  rrect15% 4.1x1.7 smd mask+0.05: 1(0,0)
  rrect15% 0.1x0.1 smd mask+0.05: 2(1.5,3.8)
  Component Side region: 1.9,4.25 1.9,2.45 0.1,4.25
  silkscreen extent -3,0 1.8,4.15, body extent -3,-0.75 1.8,4.15, height 1.69
PIN_TOP_1.5x2 [mm] "PIN_TOP_1.5x2"
  rrect15% 2x1.5 smd paste-2 mask+0.05: 1(0,0)
RENESAS_FBGA224 [mm] "Renesas 13x13mm FBGA224 0.8 pitch"
  round 0.4 smd mask+0.05: A2(-4.8,5.6) A3(-4,5.6) A4(-3.2,5.6) A5(-2.4,5.6) A6(-1.6,5.6) A7(-0.8,5.6) A8(0,5.6) A9(0.8,5.6) A10(1.6,5.6) A11(2.4,5.6) A12(3.2,5.6) A13(4,5.6) A14(4.8,5.6) A15(5.6,5.6) B1(-5.6,4.8) B2(-4.8,4.8) B3(-4,4.8) B4(-3.2,4.8) B5(-2.4,4.8) B6(-1.6,4.8) B7(-0.8,4.8) B8(0,4.8) B9(0.8,4.8) B10(1.6,4.8) B11(2.4,4.8) B12(3.2,4.8) B13(4,4.8) B14(4.8,4.8) B15(5.6,4.8) C1(-5.6,4) C2(-4.8,4) C3(-4,4) C4(-3.2,4) C5(-2.4,4) C6(-1.6,4) C7(-0.8,4) C8(0,4) C9(0.8,4) C10(1.6,4) C11(2.4,4) C12(3.2,4) C13(4,4) C14(4.8,4) C15(5.6,4) D1(-5.6,3.2) D2(-4.8,3.2) D3(-4,3.2) D4(-3.2,3.2) D5(-2.4,3.2) D6(-1.6,3.2) D7(-0.8,3.2) D8(0,3.2) D9(0.8,3.2) D10(1.6,3.2) D11(2.4,3.2) D12(3.2,3.2) D13(4,3.2) D14(4.8,3.2) D15(5.6,3.2) E1(-5.6,2.4) E2(-4.8,2.4) E3(-4,2.4) E4(-3.2,2.4) E5(-2.4,2.4) E6(-1.6,2.4) E7(-0.8,2.4) E8(0,2.4) E9(0.8,2.4) E10(1.6,2.4) E11(2.4,2.4) E12(3.2,2.4) E13(4,2.4) E14(4.8,2.4) E15(5.6,2.4) F1(-5.6,1.6) F2(-4.8,1.6) F3(-4,1.6) F4(-3.2,1.6) F5(-2.4,1.6) F6(-1.6,1.6) F7(-0.8,1.6) F8(0,1.6) F9(0.8,1.6) F10(1.6,1.6) F11(2.4,1.6) F12(3.2,1.6) F13(4,1.6) F14(4.8,1.6) F15(5.6,1.6) G1(-5.6,0.8) G2(-4.8,0.8) G3(-4,0.8) G4(-3.2,0.8) G5(-2.4,0.8) G6(-1.6,0.8) G7(-0.8,0.8) G8(0,0.8) G9(0.8,0.8) G10(1.6,0.8) G11(2.4,0.8) G12(3.2,0.8) G13(4,0.8) G14(4.8,0.8) G15(5.6,0.8) H1(-5.6,0) H2(-4.8,0) H3(-4,0) H4(-3.2,0) H5(-2.4,0) H6(-1.6,0) H7(-0.8,0) H8(0,0) H9(0.8,0) H10(1.6,0) H11(2.4,0) H12(3.2,0) H13(4,0) H14(4.8,0) H15(5.6,0) J1(-5.6,-0.8) J2(-4.8,-0.8) J3(-4,-0.8) J4(-3.2,-0.8) J5(-2.4,-0.8) J6(-1.6,-0.8) J7(-0.8,-0.8) J8(0,-0.8) J9(0.8,-0.8) J10(1.6,-0.8) J11(2.4,-0.8) J12(3.2,-0.8) J13(4,-0.8) J14(4.8,-0.8) J15(5.6,-0.8) K1(-5.6,-1.6) K2(-4.8,-1.6) K3(-4,-1.6) K4(-3.2,-1.6) K5(-2.4,-1.6) K6(-1.6,-1.6) K7(-0.8,-1.6) K8(0,-1.6) K9(0.8,-1.6) K10(1.6,-1.6) K11(2.4,-1.6) K12(3.2,-1.6) K13(4,-1.6) K14(4.8,-1.6) K15(5.6,-1.6) L1(-5.6,-2.4) L2(-4.8,-2.4) L3(-4,-2.4) L4(-3.2,-2.4) L5(-2.4,-2.4) L6(-1.6,-2.4) L7(-0.8,-2.4) L8(0,-2.4) L9(0.8,-2.4) L10(1.6,-2.4) L11(2.4,-2.4) L12(3.2,-2.4) L13(4,-2.4) L14(4.8,-2.4) L15(5.6,-2.4) M1(-5.6,-3.2) M2(-4.8,-3.2) M3(-4,-3.2) M4(-3.2,-3.2) M5(-2.4,-3.2) M6(-1.6,-3.2) M7(-0.8,-3.2) M8(0,-3.2) M9(0.8,-3.2) M10(1.6,-3.2) M11(2.4,-3.2) M12(3.2,-3.2) M13(4,-3.2) M14(4.8,-3.2) M15(5.6,-3.2) N1(-5.6,-4) N2(-4.8,-4) N3(-4,-4) N4(-3.2,-4) N5(-2.4,-4) N6(-1.6,-4) N7(-0.8,-4) N8(0,-4) N9(0.8,-4) N10(1.6,-4) N11(2.4,-4) N12(3.2,-4) N13(4,-4) N14(4.8,-4) N15(5.6,-4) P1(-5.6,-4.8) P2(-4.8,-4.8) P3(-4,-4.8) P4(-3.2,-4.8) P5(-2.4,-4.8) P6(-1.6,-4.8) P7(-0.8,-4.8) P8(0,-4.8) P9(0.8,-4.8) P10(1.6,-4.8) P11(2.4,-4.8) P12(3.2,-4.8) P13(4,-4.8) P14(4.8,-4.8) P15(5.6,-4.8) R1(-5.6,-5.6) R2(-4.8,-5.6) R3(-4,-5.6) R4(-3.2,-5.6) R5(-2.4,-5.6) R6(-1.6,-5.6) R7(-0.8,-5.6) R8(0,-5.6) R9(0.8,-5.6) R10(1.6,-5.6) R11(2.4,-5.6) R12(3.2,-5.6) R13(4,-5.6) R14(4.8,-5.6) R15(5.6,-5.6)
  silkscreen extent -7.25,-6.5 6.5,6.5, body extent -6.5,-6.5 6.5,6.5, height 1.4
SC70-6 [mm] "SC70 6-Leads, Body 2.0x1.25mm, Pitch 0.65mm"
  rect 0.85x0.4 smd mask+0.05: 1(-0.95,0.65)
  rrect50% 0.85x0.4 smd mask+0.05: 2(-0.95,0) 3(-0.95,-0.65) 4(0.95,-0.65) 5(0.95,0) 6(0.95,0.65)
  silkscreen extent -1.07,-1 0.25,1.3, body extent -0.62,-1 0.62,1, height 1.45
SG-3030CM [mm] "Epson SG-3030CM"
  rect 0.65x0.4 smd mask+0.05: 1(-1.325,-0.6)
  rrect50% 0.65x0.4 smd mask+0.05: 2(1.325,-0.6) 3(1.325,0.6) 4(-1.325,0.6)
  silkscreen extent -1.65,-1.2 1.65,0.8, body extent -1.65,-0.8 1.65,0.8, height 0.9